# Altium PCB 8-8控制板.PcbDoc (part 2 of 5) (continued)
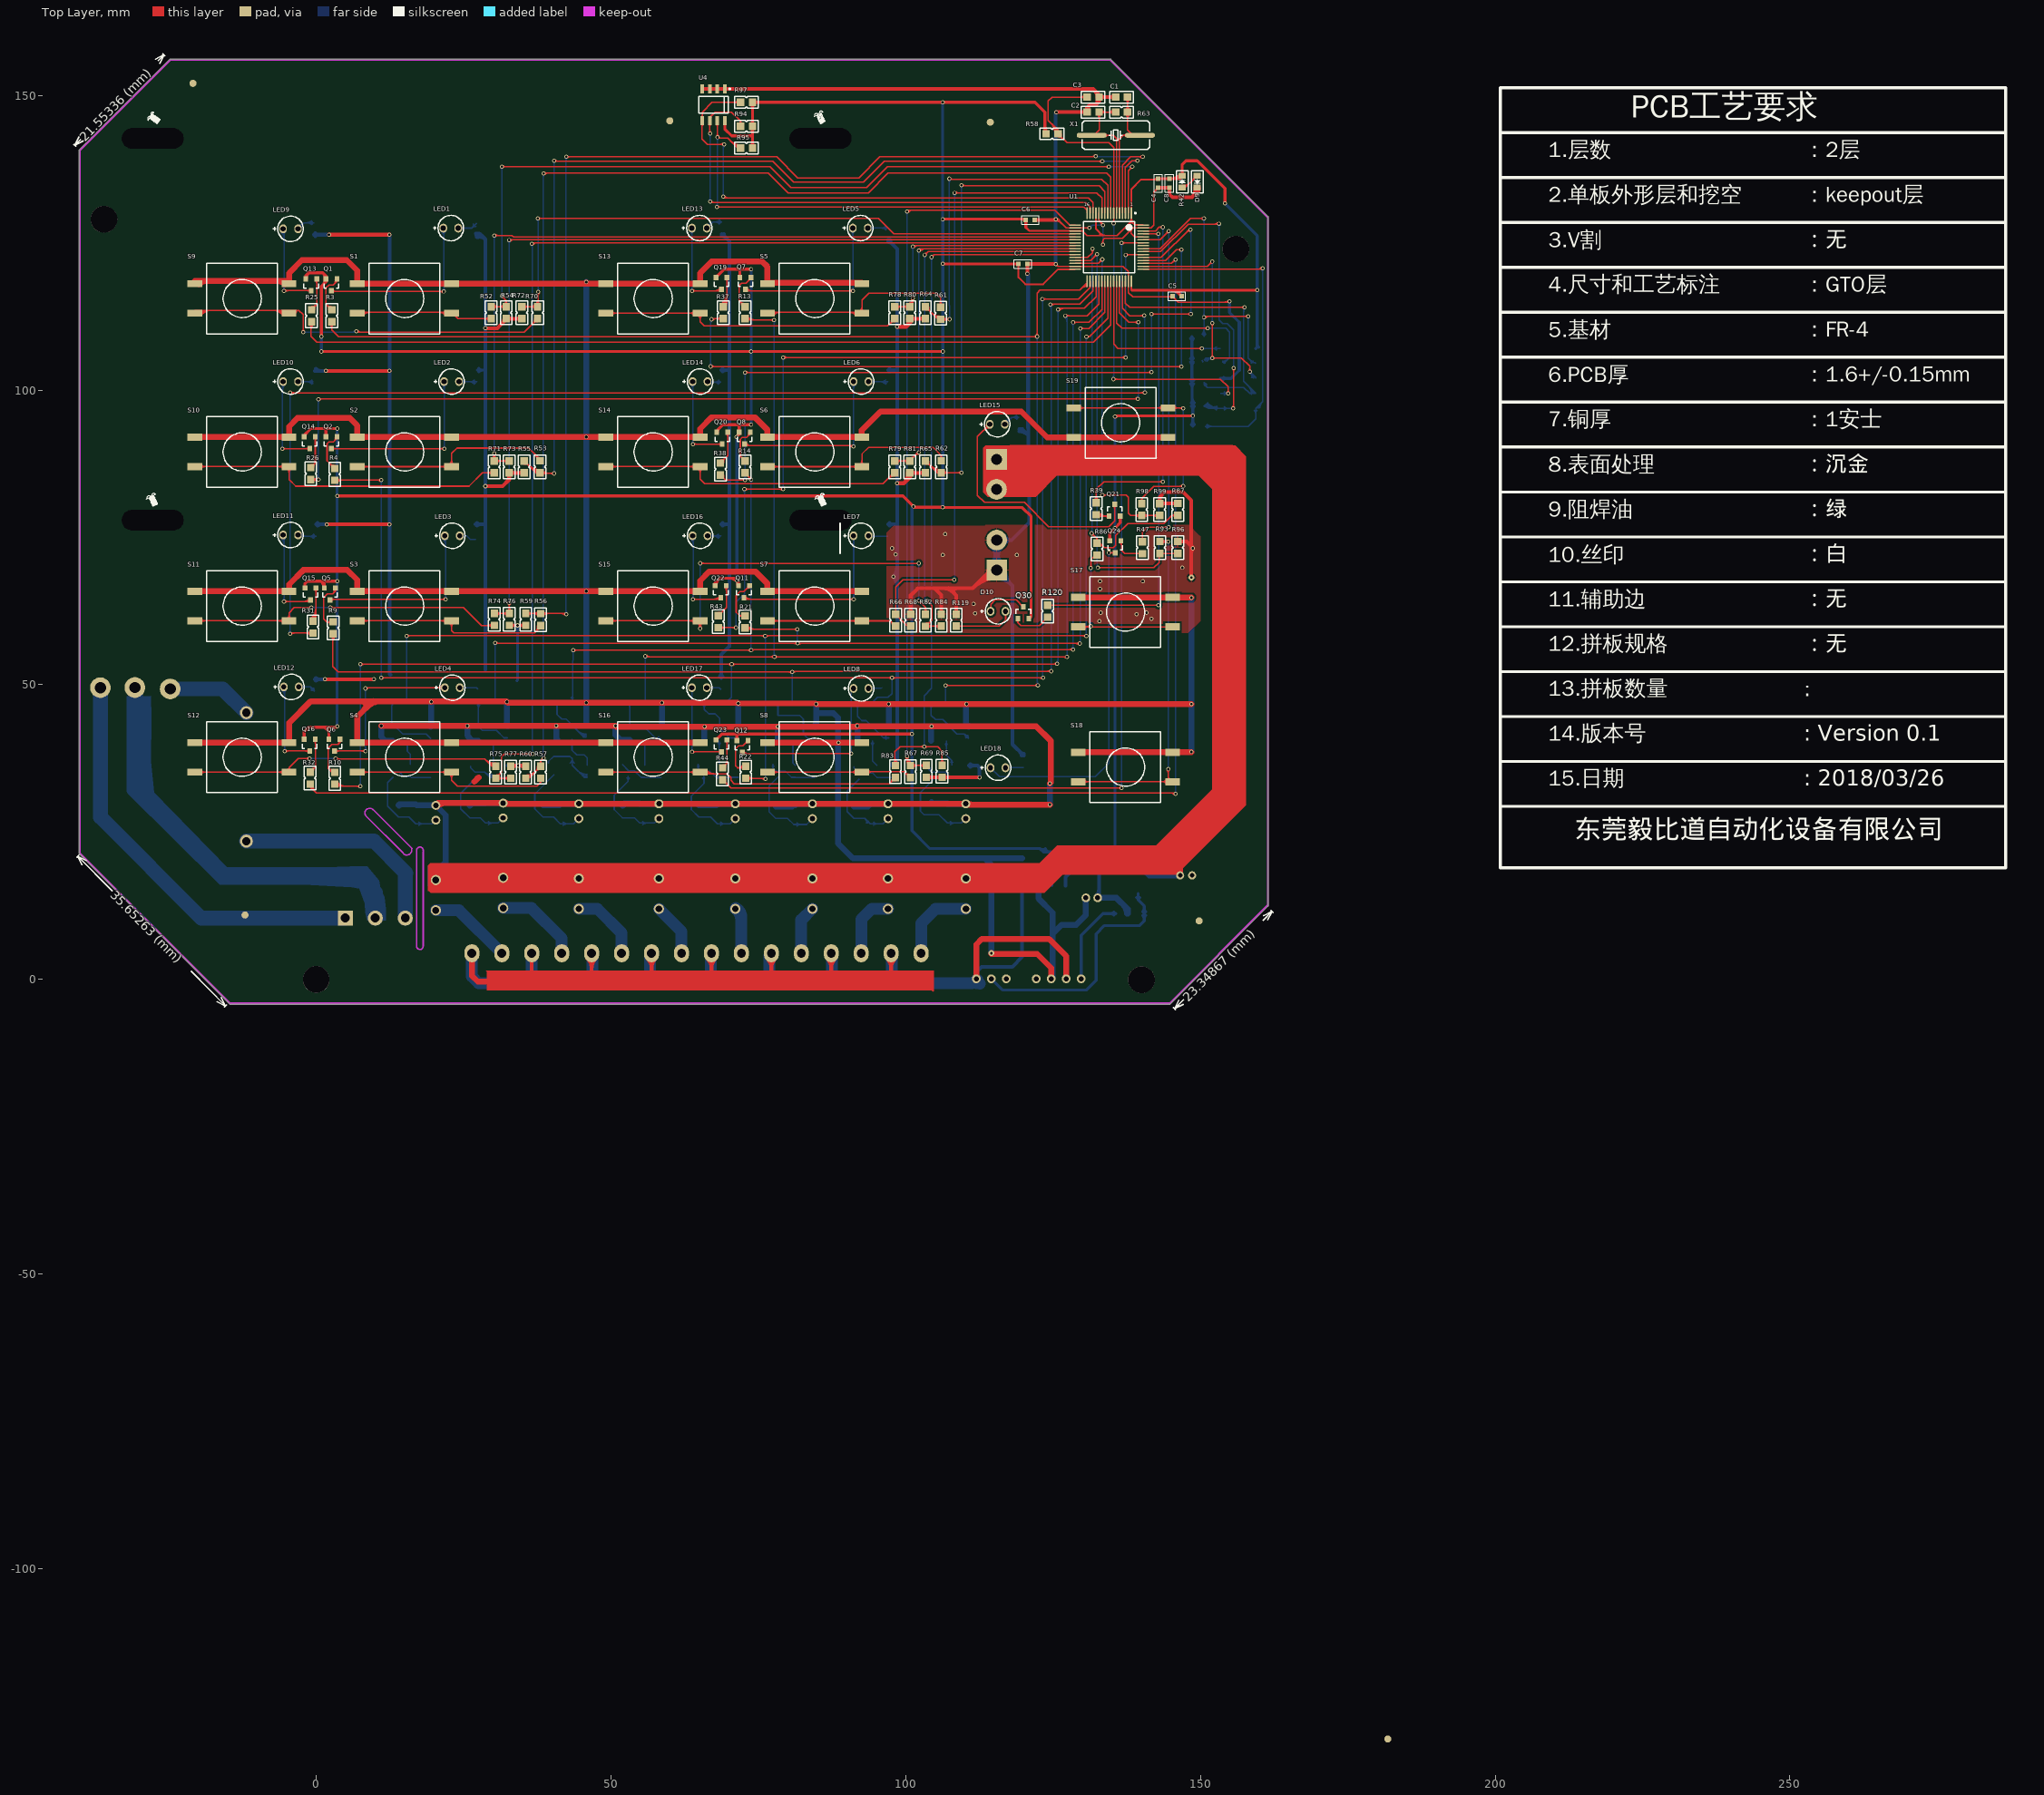
[diagram p0: Top Layer view]
## Nets (pads, with @x,y where several pads share a name; then routed paths per layer and width w, separated by ;. In a path a pad name is that pad's centre, name@x,y a point inside that pad or via, vN(x,y) a via of type N, cw(c..) or ccw(c..) an arc to the next point about the centre after c; other vN are vias at no path point) (continued)
  Bottom Layer w0.203: v1@135.079,102.03 ccw(c134.601,102.508) 135.278,102.508 ; v1@135.102,128.107 cw(c134.678,127.683) 135.278,127.683 cw(c135.877,127.683) v1@135.453,128.107 ; v1@135.278,101.854 v1(135.278,128.282) ; 135.278,102.399 ccw(c135.8,102.399) v1@135.431,102.03 ; P1.7@153.385,99.441 v1(154.686,99.441) ; P1.7@154.019,99.162 cw(c154.686,98.505) v1(154.686,99.441) ; P1.7@154.019,99.72 ccw(c154.686,100.377) v1(154.686,99.441) ; v1@154.454,99.353 ccw(c154.128,99.23) 154.218,99.566 ccw(c154.308,99.903) v1@154.529,99.633 ; v1@154.454,99.529 cw(c154.128,99.652) 154.218,99.316 cw(c154.308,98.979) v1@154.529,99.249 ; v1@154.51,99.265 ccw(c154.086,98.841) 154.086,99.441 ccw(c154.086,100.041) v1@154.51,99.617
NetC14_2: C14.2 L1.2 U3.2 | length 45.3
  Bottom Layer w0.5: U3.2@114.529,0.102 116.408,-1.778 130.683,-1.778
  Bottom Layer w0.508: 130.683,-1.778 132.3,-0.161 132.3,7.713 133.731,9.144 139.7,9.144 140.462,9.906 C14.2@140.462,11.176 140.462,12.446 139.446,13.462 ; L1.2@139.156,13.903 cw(c138.967,13.462) 139.446,13.462 ; L1.2@139.446,14.58 139.446,13.462 ; L1.2@139.736,13.903 ccw(c139.925,13.462) 139.446,13.462 ; C14.2@140.193,10.907 cw(c139.542,10.256) 140.462,10.256 cw(c141.382,10.256) C14.2@140.731,10.907 ; C14.2@140.193,11.445 ccw(c139.542,12.096) 140.462,12.096 ccw(c141.382,12.096) C14.2@140.731,11.445
NetC16_2: C16.2 U3.8 | length 16.2
  Bottom Layer w0.5: U3.8@129.769,0.102 129.769,7.468 133.477,11.176 C16.2@135.636,11.176 ; C16.2@135.364,10.904 ccw(c134.707,10.247) 134.707,11.176 ccw(c134.707,12.105) C16.2@135.364,11.448
NetD1_1: D1.1 K1.2 Q3.3 R1.1 | length 16.8
  Bottom Layer w0.254: Q3.3@104.851,34.061 102.489,31.699 102.489,28.575 103.124,27.94 R1.1@104.267,27.94 105.664,27.94 D1.1@107.061,26.543 109.474,26.543 K1.2@110.211,27.28 ; D1.1@107.584,26.274 cw(c108.235,25.623) 108.235,26.543 cw(c108.235,27.463) D1.1@107.584,26.812
NetD2_1: D2.1 K2.2 Q4.3 R2.1 | length 18
  Bottom Layer w0.203: Q4.3@92.151,34.061 90.043,31.953 90.043,28.448 R2.1@91.186,27.305 93.091,27.305 ; D2.1@93.329,26.501 ccw(c92.471,26.685) 93.091,27.305 ; 93.355,27.041 cw(c92.906,26.591) D2.1@93.527,26.459 ; 93.466,26.93 ccw(c93.726,27.19) D2.1@93.726,26.822 ; D2.1@94.521,26.129 cw(c95.215,25.435) 95.215,26.416 cw(c95.215,27.397) D2.1@94.521,26.703 ; K2.2@97.003,27.28 96.139,26.416 D2.1@93.98,26.416 93.091,27.305
NetD3_1: D3.1 K3.2 Q9.3 R15.1 | length 16.7
  Bottom Layer w0.254: Q9.3@78.435,34.442 76.835,32.842 76.835,28.448 R15.1@77.978,27.305 80.01,27.305 D3.1@81.026,26.289 83.185,26.289 K3.2@84.176,27.28 ; D3.1@81.549,26.02 cw(c82.2,25.369) 82.2,26.289 cw(c82.2,27.209) D3.1@81.549,26.558
NetD4_1: D4.1 K4.2 Q10.3 R16.1 | length 17.9
  Bottom Layer w0.254: Q10.3@65.538,34.194 cw(c64.938,33.594) 65.786,33.594 ; Q10.3@65.735,34.442 65.786,34.392 65.786,33.274 63.627,31.115 63.627,28.829 R16.1@64.897,27.559 66.929,27.559 D4.1@68.072,26.416 70.231,26.416 K4.2@71.095,27.28 ; 65.786,33.84 cw(c66.287,33.84) Q10.3@65.933,34.194 ; D4.1@68.595,26.147 cw(c69.246,25.496) 69.246,26.416 cw(c69.246,27.336) D4.1@68.595,26.685
NetD5_1: D5.1 K5.2 Q17.3 R27.1 | length 17.9
  Bottom Layer w0.254: Q17.3@52.711,34.194 cw(c52.234,33.717) 52.908,33.717 cw(c53.583,33.717) Q17.3@53.106,34.194 ; Q17.3@52.908,34.442 52.908,33.604 50.546,31.242 50.546,28.829 R27.1@51.943,27.432 53.975,27.432 D5.1@54.864,26.543 57.404,26.543 K5.2@58.141,27.28 ; D5.1@55.387,26.274 cw(c56.038,25.623) 56.038,26.543 cw(c56.038,27.463) D5.1@55.387,26.812
NetD6_1: D6.1 K6.2 Q18.3 R28.1 | length 17.4
  Bottom Layer w0.254: Q18.3@40.335,34.696 37.084,31.445 37.084,28.956 R28.1@38.481,27.559 40.259,27.559 D6.1@41.402,26.416 43.688,26.416 K6.2@44.552,27.28 ; D6.1@41.925,26.147 cw(c42.576,25.496) 42.576,26.416 cw(c42.576,27.336) D6.1@41.925,26.685
NetD7_1: D7.1 K7.2 Q25.3 R40.1 | length 16.3
  Bottom Layer w0.254: Q25.3@27.127,34.188 24.511,31.572 24.511,28.956 R40.1@26.035,27.432 27.813,27.432 D7.1@28.702,26.543 30.861,26.543 K7.2@31.725,27.407 ; D7.1@29.225,26.274 cw(c29.876,25.623) 29.876,26.543 cw(c29.876,27.463) D7.1@29.225,26.812
NetD8_1: D8.1 K8.2 Q26.3 R41.1 | length 16.4
  Bottom Layer w0.254: Q26.3@13.03,34.315 12.116,33.401 12.116,29.413 R41.1@13.97,27.559 15.748,27.559 D8.1@16.891,26.416 19.685,26.416 K8.2@20.295,27.026 ; D8.1@17.414,26.147 cw(c18.065,25.496) 18.065,26.416 cw(c18.065,27.336) D8.1@17.414,26.685
NetD9_1: D9.1 R42.1 | length 7.7
  Top Layer w0.254: R42.1@146.914,134.341 147.422,134.341 D9.1@149.454,136.373 ; R42.1@147.041,134.468 ccw(c147.041,135.694) 147.908,134.827 ; R42.1@147.041,134.722 ccw(c147.041,136.561) 148.341,135.26 ; 148.586,135.505 ccw(c147.719,136.373) D9.1@148.946,136.373 ; 148.893,135.812 cw(c149.327,135.378) D9.1@149.327,135.992 ; D9.1@149.02,135.939 ccw(c148.586,136.373) D9.1@149.2,136.373
NetD10_1: D10.1 Q30.3 | length 7.5
  Top Layer w0.203: D10.1@114.402,62.459 114.427,62.484 114.427,63.627 115.189,64.389 118.796,64.389 Q30.3@119.964,63.221
NetD10_2: D10.2 R119.1 | length 10.4
  Top Layer w0.254: R119.1@108.331,59.944 R119.1@108.458,60.071 ; R119.1@108.585,59.944 115.824,59.944 116.967,61.087 116.967,62.433 D10.2@116.942,62.459
NetF1_1: F1.1 P5.3 | length 37
  Bottom Layer w2.5: F1.1@-11.836,23.47 9.804,23.47 15.24,18.034 15.113,17.907 P5.3@15.113,10.414
NetF1_2: F1.2 L.1 | length 14.6
  Bottom Layer w2.5: L.1@-24.765,49.291 -15.865,49.291 F1.2@-11.836,45.263
NetFG_1: FG.1 P5.2 | length 69.3
  Bottom Layer w2.5: FG.1@-30.607,49.388 -30.607,32.385 -16.002,17.78 6.985,17.78 10.033,14.732 P5.2@10.033,10.414
NetJ5_1: J5.1 K1.4 | length 13.7
  Bottom Layer w2: J5.1@102.616,4.445 102.616,9.525 105.071,11.98 K1.4@110.211,11.98
NetJ5_3: J5.3 K2.4 | length 11
  Bottom Layer w2: J5.3@92.456,4.445 92.456,10.202 94.234,11.98 K2.4@97.003,11.98
NetJ5_5: J5.5 K3.4 | length 8.3
  Bottom Layer w2: J5.5@82.296,4.445 82.296,10.1 K3.4@84.176,11.98
NetJ5_7: J5.7 K4.4 | length 12.5
  Bottom Layer w2: K4.4@71.095,11.98 72.136,10.938 J5.7@72.136,4.445 ; K4.4@71.156,12.101 cw(c70.349,10.507) 72.136,10.507 ; K4.4@71.191,12.076 cw(c68.91,9.795) 72.136,9.795
NetJ5_9: J5.9 K5.4 | length 9.1
  Bottom Layer w2: K5.4@58.141,11.98 61.976,8.144 J5.9@61.976,4.445
NetJ5_11: J5.11 K6.4 | length 12.4
  Bottom Layer w2: K6.4@44.552,11.98 47.71,11.98 51.816,7.874 J5.11@51.816,4.445
NetJ5_13: J5.13 K7.4 | length 14.6
  Bottom Layer w2: K7.4@31.725,12.107 36.534,12.107 41.656,6.985 J5.13@41.656,4.445
NetJ5_15: J5.15 K8.4 | length 14.2
  Bottom Layer w2: K8.4@20.295,11.726 24.215,11.726 J5.15@31.496,4.445
NetLED1_1: LED1.1 Q1.3 | length 37.2
  Top Layer w0.203: Q1.3@2.591,116.865 2.743,116.713 v1(21.692,116.713) ; Q1.3@2.663,116.886 ccw(c3.081,117.305) 3.081,116.713 ccw(c3.081,116.324) Q1.3@2.806,116.599 ; Q1.3@2.806,117.03 ccw(c3.572,117.796) 3.572,116.713 ; v1@21.516,116.537 ccw(c21.092,116.113) 21.092,116.713 ccw(c21.092,117.313) v1@21.516,116.889
  Bottom Layer w0.203: LED1.1@21.178,126.995 cw(c19.94,125.756) 21.692,125.756 ; LED1.1@21.322,127.139 cw(c20.43,126.247) 21.692,126.247 ; LED1.1@21.466,127.282 cw(c20.921,126.737) 21.692,126.737 ; v1@21.516,116.889 ccw(c21.092,117.313) 21.692,117.313 ccw(c22.291,117.313) v1@21.867,116.889 ; LED1.1@21.565,127.483 21.692,127.356 v1(21.692,116.713) ; 21.692,126.369 cw(c22.576,126.369) LED1.1@21.951,126.995
NetLED1_2: LED1.2 R101.1 | length 7
  Bottom Layer w0.254: LED1.2@24.105,127.483 26.391,127.483 ; LED1.2@24.473,127.114 cw(c25.362,126.226) 25.362,127.483 cw(c25.362,128.74) LED1.2@24.473,127.851 ; R101.1@26.671,128.234 cw(c25.707,128.166) 26.391,127.483 ; R101.1@27.142,127.763 ccw(c27.074,126.799) 26.391,127.483 ; R101.1@27.178,128.27 26.391,127.483
NetLED2_1: LED2.1 Q2.3 | length 35.9
  Top Layer w0.254: Q2.3@2.591,90.068 21.692,90.068 v1(21.717,90.043) ; Q2.3@2.788,89.871 cw(c3.265,89.394) 3.265,90.068 cw(c3.265,90.743) Q2.3@2.788,90.266 ; 21.117,90.068 cw(c21.117,89.443) v1@21.559,89.885 ; 21.24,90.068 ccw(c21.24,90.52) v1@21.559,90.201
  Bottom Layer w0.254: LED2.1@21.323,100.978 cw(c20.373,100.028) 21.717,100.028 ; LED2.1@21.503,101.157 cw(c20.986,100.641) 21.717,100.641 ; v1@21.559,90.201 ccw(c21.179,90.581) 21.717,90.581 ccw(c22.255,90.581) v1@21.875,90.201 ; LED2.1@21.692,101.448 21.717,101.422 v1(21.717,90.043) ; 21.717,100.15 cw(c22.887,100.15) LED2.1@22.06,100.978
NetLED2_2: LED2.2 R109.1 | length 9.4
  Bottom Layer w0.203: LED2.2@24.232,101.448 27.203,101.448 R109.1@27.305,101.346 ; LED2.2@24.474,101.205 cw(c25.059,100.62) 25.059,101.448 cw(c25.059,102.275) LED2.2@24.474,101.69 ; LED2.2@24.618,101.061 cw(c25.55,100.129) 25.55,101.448 cw(c25.55,102.766) LED2.2@24.618,101.834 ; 25.772,101.448 cw(c25.772,99.813) R109.1@26.928,100.969 ; R109.1@26.928,101.723 cw(c26.263,102.388) 26.263,101.448 cw(c26.263,100.304) R109.1@27.072,101.113
NetLED3_1: LED3.1 Q5.3 | length 37.4
  Top Layer w0.203: Q5.3@2.337,64.414 2.438,64.516 v1(21.971,64.516) ; Q5.3@2.552,64.25 cw(c3.195,63.607) 3.195,64.516 ; Q5.3@2.552,64.681 ccw(c2.95,65.078) 2.95,64.516 ; v1@21.795,64.34 ccw(c21.371,63.916) 21.371,64.516 ccw(c21.371,65.116) v1@21.795,64.692
  Bottom Layer w0.203: LED3.1@21.432,74.798 cw(c20.132,73.498) 21.971,73.498 ; LED3.1@21.576,74.942 cw(c20.623,73.988) 21.971,73.988 ; LED3.1@21.72,75.085 cw(c21.113,74.479) 21.971,74.479 ; v1@21.795,64.692 ccw(c21.371,65.116) 21.971,65.116 ccw(c22.571,65.116) v1@22.147,64.692 ; LED3.1@21.819,75.286 21.971,75.133 v1(21.971,64.516) ; 21.971,74.234 cw(c22.769,74.234) LED3.1@22.205,74.798
NetLED3_2: LED3.2 R102.1 | length 4.8
  Bottom Layer w0.254: LED3.2@24.359,75.286 25.552,75.286 ; LED3.2@24.74,74.931 cw(c25.552,74.178) 25.552,75.286 ; LED3.2@24.74,75.64 ccw(c25.552,76.394) 25.552,75.286 ; R102.1@27.051,74.676 26.162,74.676 25.552,75.286
NetLED4_1: LED4.1 Q6.3 | length 38
  Top Layer w0.203: Q6.3@3.099,38.76 v1@8.357,38.76 ; Q6.3@3.314,38.545 cw(c3.835,38.025) 3.835,38.76 cw(c3.835,39.496) Q6.3@3.314,38.976 ; 7.721,38.76 cw(c7.721,38.074) v1@8.206,38.559 ; 7.844,38.76 ccw(c7.844,39.273) v1@8.206,38.911 ; v1(8.357,49.378) 8.484,49.505 LED4.1@21.819,49.505 ; v1@8.389,49.346 cw(c8.772,48.962) 8.772,49.505 ; v1@8.532,49.202 cw(c9.263,48.471) 9.263,49.505 ; LED4.1@21.432,49.118 ccw(c20.5,48.186) 20.5,49.505 ccw(c20.5,50.823) LED4.1@21.432,49.891 ; LED4.1@21.576,49.262 ccw(c20.991,48.677) 20.991,49.505 ccw(c20.991,50.332) LED4.1@21.576,49.747
  Bottom Layer w0.203: v1@8.181,49.202 cw(c7.757,48.778) 8.357,48.778 cw(c8.956,48.778) v1@8.532,49.202 ; v1@8.206,38.911 ccw(c7.844,39.273) 8.357,39.273 ; v1@8.357,38.76 v1(8.357,49.378) ; 8.357,39.396 ccw(c9.043,39.396) v1@8.558,38.911
  other v1: 8.382,38.735
NetLED4_2: LED4.2 R110.1 | length 3.2
  Bottom Layer w0.203: LED4.2@24.359,49.505 27.203,49.505 R110.1@27.432,49.276
NetLED5_1: LED5.1 Q7.3 | length 36.3
  Top Layer w0.203: Q7.3@72.822,117.119 73.101,116.84 v1(91.059,116.84) ; Q7.3@72.894,117.14 ccw(c73.619,117.866) 73.619,116.84 ; Q7.3@73.037,117.284 ccw(c74.11,118.356) 74.11,116.84 ; v1@90.883,116.664 ccw(c90.459,116.24) 90.459,116.84 ccw(c90.459,117.44) v1@90.883,117.016
  Bottom Layer w0.203: LED5.1@90.647,126.995 cw(c89.715,126.063) 91.034,126.063 cw(c92.352,126.063) LED5.1@91.42,126.995 ; LED5.1@90.791,127.139 cw(c90.206,126.553) 91.034,126.553 cw(c91.861,126.553) LED5.1@91.276,127.139 ; v1@90.883,117.016 ccw(c90.521,117.378) 91.034,117.378 ; 91.034,117.501 ccw(c91.72,117.501) v1@91.235,117.016 ; LED5.1@91.034,127.483 91.034,116.865 v1(91.059,116.84)
NetLED5_2: LED5.2 R103.1 | length 10.1
  Bottom Layer w0.203: LED5.2@93.574,127.483 97.003,127.483 R103.1@97.028,127.508 ; LED5.2@93.816,127.24 cw(c94.401,126.655) 94.401,127.483 cw(c94.401,128.31) LED5.2@93.816,127.725 ; LED5.2@93.96,127.096 cw(c94.892,126.164) 94.892,127.483 cw(c94.892,128.801) LED5.2@93.96,127.869 ; 95.679,127.483 ccw(c95.679,128.857) R103.1@96.651,127.885 ; 95.802,127.483 cw(c95.802,126.282) R103.1@96.651,127.131 ; 96.17,127.483 ccw(c96.17,128.366) R103.1@96.795,127.741 ; 96.292,127.483 cw(c96.292,126.772) R103.1@96.795,127.275
NetLED6_1: LED6.1 Q8.3 | length 37.2
  Top Layer w0.203: Q8.3@72.695,90.83 72.974,90.551 91.034,90.551 v1(91.161,90.424) ; Q8.3@72.767,90.851 ccw(c73.492,91.577) 73.492,90.551 ; Q8.3@72.91,90.995 ccw(c73.983,92.067) 73.983,90.551 ; 90.254,90.551 cw(c90.254,89.518) v1@90.985,90.248 ; 90.745,90.551 cw(c90.745,90.008) v1@91.129,90.392
  Bottom Layer w0.203: LED6.1@90.774,100.96 cw(c89.842,100.028) 91.161,100.028 cw(c92.479,100.028) LED6.1@91.547,100.96 ; LED6.1@90.918,101.104 cw(c90.333,100.518) 91.161,100.518 cw(c91.988,100.518) LED6.1@91.403,101.104 ; v1@90.985,90.6 ccw(c90.561,91.024) 91.161,91.024 ccw(c91.76,91.024) v1@91.336,90.6 ; v1(91.161,90.424) LED6.1@91.161,101.448
NetLED6_2: LED6.2 R111.1 | length 9.7
  Bottom Layer w0.203: LED6.2@93.701,101.448 96.926,101.448 R111.1@97.028,101.346 ; LED6.2@93.943,101.205 cw(c94.528,100.62) 94.528,101.448 cw(c94.528,102.275) LED6.2@93.943,101.69 ; LED6.2@94.087,101.061 cw(c95.019,100.129) 95.019,101.448 cw(c95.019,102.766) LED6.2@94.087,101.834 ; 95.495,101.448 cw(c95.495,99.813) R111.1@96.651,100.969 ; R111.1@96.651,101.723 cw(c95.986,102.388) 95.986,101.448 cw(c95.986,100.304) R111.1@96.795,101.113
NetLED7_1: LED7.1 Q11.3 | length 33
  Top Layer w0.254: Q11.3@72.568,64.795 72.847,64.516 v1(91.186,64.516) ; Q11.3@72.586,64.763 ccw(c73.181,65.358) 73.181,64.516 ; Q11.3@72.765,64.942 ccw(c73.794,65.971) 73.794,64.516 ; v1@91.028,64.358 ccw(c90.648,63.978) 90.648,64.516 ccw(c90.648,65.054) v1@91.028,64.674
  Bottom Layer w0.254: v1@91.028,64.674 ccw(c90.648,65.054) 91.186,65.054 ccw(c91.724,65.054) v1@91.344,64.674 ; LED7.1@91.161,75.286 91.186,75.26 v1(91.186,64.516)
NetLED7_2: LED7.2 R104.1 | length 3.4
  Bottom Layer w0.203: LED7.2@93.701,75.286 93.802,75.184 R104.1@97.028,75.184
NetLED8_1: LED8.1 Q12.3 | length 32.3
  Top Layer w0.254: Q12.3@72.314,38.506 72.492,38.329 v1(90.78,38.329) ; Q12.3@72.511,38.653 ccw(c73.295,39.437) 73.295,38.329 ; v1@90.622,38.171 ccw(c90.241,37.79) 90.241,38.329 ccw(c90.241,38.867) v1@90.622,38.486
  Bottom Layer w0.254: v1@90.622,38.486 ccw(c90.241,38.867) 90.78,38.867 ccw(c91.318,38.867) v1@90.937,38.486 ; v1(90.78,38.329) 90.78,48.997 LED8.1@91.161,49.378
NetLED8_2: LED8.2 R112.1 | length 2.4
  Bottom Layer w0.203: LED8.2@93.701,49.378 95.86,49.378 R112.1@96.012,49.53
NetLED9_1: LED9.1 Q13.3 | length 22.7
  Top Layer w0.203: LED9.1@-5.74,127.356 LED9.1@-5.359,126.975 ; v1(-5.461,116.84) -5.436,116.865 Q13.3@-0.838,116.865 ; v1@-5.285,116.664 cw(c-4.8,116.179) -4.8,116.865 ; v1@-5.285,117.016 ccw(c-4.923,117.378) -4.923,116.865 ; Q13.3@-1.054,116.65 ccw(c-1.574,116.13) -1.574,116.865 ccw(c-1.574,117.601) Q13.3@-1.054,117.081
  Bottom Layer w0.203: LED9.1@-6,126.868 cw(c-7.3,125.568) -5.461,125.568 ; LED9.1@-5.856,127.012 cw(c-6.809,126.058) -5.461,126.058 ; LED9.1@-5.74,127.356 LED9.1@-5.613,127.356 -5.461,127.203 v1(-5.461,116.84) ; LED9.1@-5.712,127.155 cw(c-6.319,126.549) -5.461,126.549 ; v1@-5.637,117.016 ccw(c-6.061,117.44) -5.461,117.44 ccw(c-4.861,117.44) v1@-5.285,117.016 ; -5.461,126.304 cw(c-4.663,126.304) LED9.1@-5.227,126.868
NetLED9_2: LED9.2 R105.1 | length 9.6
  Bottom Layer w0.203: LED9.2@-3.073,127.356 -2.032,128.397 ; LED9.2@-3.058,127.8 ccw(c-3.016,128.729) -2.358,128.071 ; LED9.2@-3.049,128.003 ccw(c-2.987,129.352) -2.032,128.397 ; LED9.2@-2.73,127.457 cw(c-2.148,127.457) -2.56,127.869 ; LED9.2@-2.527,127.457 cw(c-1.454,127.457) -2.213,128.216 ; R105.1@-0.758,128.02 ccw(c-1.669,127.109) -1.669,128.397 ccw(c-1.669,129.685) R105.1@-0.758,128.774 ; R105.1@-0.614,128.164 ccw(c-1.178,127.6) -1.178,128.397 ccw(c-1.178,129.194) R105.1@-0.614,128.63 ; R105.1@-0.381,128.397 -2.032,128.397
NetLED10_1: LED10.1 Q14.3 | length 21.6
  Top Layer w0.254: v1@-5.715,90.056 v1(-5.715,90.043) -5.69,90.068 Q14.3@-1.092,90.068 ; v1@-5.557,89.885 cw(c-5.115,89.443) -5.115,90.068 ; v1@-5.557,90.201 ccw(c-5.238,90.52) -5.238,90.068 ; Q14.3@-1.29,89.871 ccw(c-1.767,89.394) -1.767,90.068 ccw(c-1.767,90.743) Q14.3@-1.29,90.266
  Bottom Layer w0.254: LED10.1@-5.982,100.978 cw(c-6.625,100.334) -5.715,100.334 ; v1@-5.873,90.201 ccw(c-6.253,90.581) -5.715,90.581 ccw(c-5.177,90.581) v1@-5.557,90.201 ; v1(-5.715,90.043) -5.715,101.346 LED10.1@-5.613,101.448 ; -5.715,99.844 cw(c-4.111,99.844) LED10.1@-5.245,100.978 ; -5.715,100.457 cw(c-4.724,100.457) LED10.1@-5.425,101.157
NetLED10_2: LED10.2 R113.1 | length 8.9
  Bottom Layer w0.203: LED10.2@-3.073,101.448 R113.1@-0.483,101.448 ; LED10.2@-2.831,101.205 cw(c-2.246,100.62) -2.246,101.448 cw(c-2.246,102.275) LED10.2@-2.831,101.69 ; LED10.2@-2.687,101.061 cw(c-1.755,100.129) -1.755,101.448 cw(c-1.755,102.766) LED10.2@-2.687,101.834 ; -1.787,101.448 cw(c-1.787,99.813) R113.1@-0.631,100.969 ; R113.1@-0.631,101.723 cw(c-1.296,102.388) -1.296,101.448 cw(c-1.296,100.304) R113.1@-0.487,101.113
NetLED11_1: LED11.1 Q15.3 | length 23.6
  Top Layer w0.203: v1(-5.461,64.135) -1.245,64.135 Q15.3@-0.965,64.414 ; v1@-5.285,63.959 cw(c-4.861,63.535) -4.861,64.135 cw(c-4.861,64.735) v1@-5.285,64.311 ; -2.253,64.135 ccw(c-2.253,65.651) Q15.3@-1.181,64.579 ; -1.762,64.135 ccw(c-1.762,65.161) Q15.3@-1.037,64.435
  Bottom Layer w0.203: LED11.1@-6,74.925 cw(c-7.3,73.625) -5.461,73.625 ; LED11.1@-5.856,75.069 cw(c-6.809,74.115) -5.461,74.115 ; LED11.1@-5.712,75.212 cw(c-6.319,74.606) -5.461,74.606 ; v1@-5.637,64.311 ccw(c-6.061,64.735) -5.461,64.735 ccw(c-4.861,64.735) v1@-5.285,64.311 ; LED11.1@-5.613,75.413 -5.461,75.26 v1(-5.461,64.135) ; -5.461,74.361 cw(c-4.663,74.361) LED11.1@-5.227,74.925
NetLED11_2: LED11.2 R106.1 | length 10.1
  Bottom Layer w0.203: LED11.2@-3.073,75.413 -2.845,75.184 R106.1@0,75.184 ; LED11.2@-2.975,75.41 ccw(c-2.43,75.955) -2.43,75.184 ; LED11.2@-2.831,75.553 ccw(c-1.939,76.445) -1.939,75.184 ; LED11.2@-2.687,74.925 cw(c-2.062,74.299) -2.062,75.184 ; LED11.2@-2.687,75.697 ccw(c-1.448,76.936) -1.448,75.184 ; R106.1@-0.377,74.807 ccw(c-1.288,73.896) -1.288,75.184 ccw(c-1.288,76.472) R106.1@-0.377,75.561 ; R106.1@-0.233,74.951 ccw(c-0.797,74.387) -0.797,75.184 ccw(c-0.797,75.981) R106.1@-0.233,75.417
NetLED12_1: LED12.1 Q16.3 | length 22.1
  Top Layer w0.203: v1(-5.334,38.735) -5.309,38.76 Q16.3@-1.092,38.76 ; v1@-5.158,38.559 cw(c-4.673,38.074) -4.673,38.76 ; v1@-5.158,38.911 ccw(c-4.796,39.273) -4.796,38.76 ; Q16.3@-1.308,38.545 ccw(c-1.828,38.025) -1.828,38.76 ccw(c-1.828,39.496) Q16.3@-1.308,38.976
  Bottom Layer w0.203: LED12.1@-5.873,49.144 cw(c-7.173,47.844) -5.334,47.844 ; LED12.1@-5.729,49.288 cw(c-6.682,48.334) -5.334,48.334 ; LED12.1@-5.585,49.431 cw(c-6.192,48.825) -5.334,48.825 ; v1@-5.51,38.911 ccw(c-5.934,39.335) -5.334,39.335 ccw(c-4.734,39.335) v1@-5.158,38.911 ; LED12.1@-5.486,49.632 -5.334,49.479 v1(-5.334,38.735) ; -5.334,48.58 cw(c-4.536,48.58) LED12.1@-5.1,49.144
NetLED12_2: LED12.2 R114.1 | length 8.7
  Bottom Layer w0.203: LED12.2@-2.946,49.632 -0.991,49.632 ; LED12.2@-2.704,49.389 cw(c-2.119,48.804) -2.119,49.632 cw(c-2.119,50.459) LED12.2@-2.704,49.874 ; LED12.2@-2.56,49.245 cw(c-1.628,48.313) -1.628,49.632 cw(c-1.628,50.95) LED12.2@-2.56,50.018 ; R114.1@-0.78,48.981 ccw(c-1.521,49.101) -0.991,49.632 ; R114.1@-0.58,48.948 ccw(c-1.038,49.022) -0.71,49.351 ccw(c-0.381,49.679) R114.1@-0.307,49.221 ; R114.1@-0.34,49.421 cw(c-0.46,50.162) -0.991,49.632 ; R114.1@-0.254,48.895 -0.991,49.632
NetLED13_1: LED13.1 Q19.3 | length 23
  Top Layer w0.203: v1(63.729,116.84) 68.478,116.84 Q19.3@68.758,117.119 ; v1@63.904,116.664 cw(c64.328,116.24) 64.328,116.84 cw(c64.328,117.44) v1@63.904,117.016 ; 67.47,116.84 ccw(c67.47,118.356) Q19.3@68.542,117.284 ; 67.961,116.84 ccw(c67.961,117.866) Q19.3@68.686,117.14
  Bottom Layer w0.203: LED13.1@63.342,126.995 cw(c62.41,126.063) 63.729,126.063 cw(c65.047,126.063) LED13.1@64.115,126.995 ; LED13.1@63.486,127.139 cw(c62.901,126.553) 63.729,126.553 cw(c64.556,126.553) LED13.1@63.971,127.139 ; v1@63.553,117.016 ccw(c63.129,117.44) 63.729,117.44 ccw(c64.328,117.44) v1@63.904,117.016 ; v1(63.729,116.84) LED13.1@63.729,127.483
NetLED13_2: LED13.2 R107.1 | length 9.5
  Bottom Layer w0.203: LED13.2@66.269,127.483 67.31,128.524 ; LED13.2@66.284,127.927 ccw(c66.326,128.856) 66.984,128.198 ; LED13.2@66.293,128.13 ccw(c66.355,129.479) 67.31,128.524 ; LED13.2@66.611,127.584 cw(c67.194,127.584) 66.782,127.996 ; LED13.2@66.815,127.584 cw(c67.888,127.584) 67.129,128.343 ; R107.1@68.457,128.147 ccw(c67.546,127.236) 67.546,128.524 ccw(c67.546,129.812) R107.1@68.457,128.901 ; R107.1@68.601,128.291 ccw(c68.037,127.727) 68.037,128.524 ccw(c68.037,129.321) R107.1@68.601,128.757 ; R107.1@68.834,128.524 67.31,128.524
NetLED14_1: LED14.1 Q20.3 | length 22.4
  Top Layer w0.203: v1@64.008,90.678 v1(63.881,90.805) 63.906,90.83 Q20.3@68.885,90.83 ; v1@64.057,90.629 cw(c64.542,90.144) 64.542,90.83 ; v1@64.057,90.981 ccw(c64.419,91.343) 64.419,90.83 ; Q20.3@68.669,90.615 ccw(c68.149,90.095) 68.149,90.83 ccw(c68.149,91.566) Q20.3@68.669,91.046
  Bottom Layer w0.203: LED14.1@63.469,100.96 cw(c62.476,99.966) 63.881,99.966 ; LED14.1@63.613,101.104 cw(c62.966,100.457) 63.881,100.457 ; v1@63.705,90.981 ccw(c63.281,91.405) 63.881,91.405 ccw(c64.481,91.405) v1@64.057,90.981 ; LED14.1@63.856,101.448 63.881,101.422 v1(63.881,90.805) v1@64.008,90.678 ; 63.881,100.089 cw(c65.113,100.089) LED14.1@64.242,100.96 ; 63.881,100.579 cw(c64.622,100.579) LED14.1@64.098,101.104
NetLED14_2: LED14.2 R115.1 | length 9
  Bottom Layer w0.203: LED14.2@66.396,101.448 66.497,101.346 R115.1@68.707,101.346 ; LED14.2@66.638,101.104 cw(c67.223,100.518) 67.223,101.346 cw(c67.223,102.174) LED14.2@66.638,101.588 ; LED14.2@66.782,100.96 cw(c67.714,100.028) 67.714,101.346 cw(c67.714,102.664) LED14.2@66.782,101.732 ; R115.1@68.33,100.969 ccw(c67.419,100.058) 67.419,101.346 ccw(c67.419,102.634) R115.1@68.33,101.723 ; R115.1@68.474,101.113 ccw(c67.91,100.549) 67.91,101.346 ccw(c67.91,102.143) R115.1@68.474,101.579
NetLED15_1: LED15.1 Q21.3 | length 46.2
  Top Layer w0.203: 113.169,93.103 cw(c114.275,91.997) LED15.1@114.275,93.561 ; 113.414,93.348 ccw(c112.655,94.107) LED15.1@113.728,94.107 ; 113.516,93.45 cw(c114.275,92.691) LED15.1@114.275,93.764 ; 113.761,93.695 ccw(c113.349,94.107) LED15.1@113.932,94.107 ; LED15.1@114.275,94.209 112.164,92.098 112.164,82.144 113.355,80.953 120.142,80.953 124.26,76.835 134.493,76.835 135.458,77.8 Q21.3@135.458,80.62 ; Q21.3@135.243,80.353 cw(c134.722,79.833) 135.458,79.833 cw(c136.194,79.833) Q21.3@135.674,80.353
NetLED15_2: LED15.2 R117.1 | length 9.5
  Bottom Layer w0.203: LED15.2@116.815,94.209 117.983,95.377 ; LED15.2@116.815,94.653 ccw(c116.815,95.726) 117.573,94.967 ; LED15.2@116.815,94.856 ccw(c116.815,96.42) 117.92,95.314 ; LED15.2@117.157,94.31 cw(c117.74,94.31) 117.328,94.722 ; LED15.2@117.361,94.31 cw(c118.434,94.31) 117.675,95.069 ; R117.1@118.872,95.004 ccw(c117.983,94.132) 117.983,95.377 ; R117.1@118.872,95.75 cw(c117.983,96.622) 117.983,95.377 ; R117.1@119.017,95.146 ccw(c118.467,94.606) 118.467,95.377 ccw(c118.467,96.148) R117.1@119.017,95.608 ; R117.1@119.253,95.377 117.983,95.377
NetLED16_1: LED16.1 Q22.3 | length 21.9
  Top Layer w0.254: v1(63.881,64.516) 68.351,64.516 Q22.3@68.631,64.795 ; v1@64.039,64.358 cw(c64.419,63.978) 64.419,64.516 cw(c64.419,65.054) v1@64.039,64.674 ; 67.404,64.516 ccw(c67.404,65.971) Q22.3@68.433,64.942 ; 68.018,64.516 ccw(c68.018,65.358) Q22.3@68.613,64.763
  Bottom Layer w0.254: LED16.1@63.487,74.816 cw(c62.292,73.62) 63.983,73.62 ; LED16.1@63.667,74.995 cw(c62.905,74.234) 63.983,74.234 cw(c64.806,74.234) LED16.1@64.224,74.816 ; v1@63.723,64.674 ccw(c63.097,65.3) 63.983,65.3 ; LED16.1@63.856,75.286 63.983,75.159 63.983,64.618 v1(63.881,64.516)
NetLED16_2: LED16.2 R108.1 | length 8.6
  Bottom Layer w0.203: LED16.2@66.396,75.286 68.605,75.286 R108.1@68.707,75.184 ; LED16.2@66.638,75.043 cw(c67.223,74.458) 67.223,75.286 cw(c67.223,76.113) LED16.2@66.638,75.528 ; LED16.2@66.782,74.899 cw(c67.714,73.967) 67.714,75.286 cw(c67.714,76.604) LED16.2@66.782,75.672 ; 67.174,75.286 cw(c67.174,73.651) R108.1@68.33,74.807 ; R108.1@68.33,75.561 cw(c67.665,76.226) 67.665,75.286 cw(c67.665,74.142) R108.1@68.474,74.951
NetLED17_1: LED17.1 Q23.3 | length 18.7
  Top Layer w0.254: v1(63.754,38.608) 63.779,38.633 Q23.3@68.758,38.633 ; v1@63.912,38.45 cw(c64.354,38.008) 64.354,38.633 ; v1@63.912,38.766 ccw(c64.231,39.085) 64.231,38.633 ; Q23.3@68.56,38.436 ccw(c68.083,37.959) 68.083,38.633 ccw(c68.083,39.308) Q23.3@68.56,38.831
  Bottom Layer w0.254: v1@63.596,38.766 ccw(c63.216,39.146) 63.754,39.146 ccw(c64.292,39.146) v1@63.912,38.766 ; LED17.1@63.729,49.505 63.754,49.479 v1(63.754,38.608)
NetLED17_2: LED17.2 R116.1 | length 2.6
  Bottom Layer w0.203: LED17.2@66.269,49.505 68.351,49.505 R116.1@68.707,49.149
NetLED18_1: LED18.1 Q24.3 | length 61.2
  Top Layer w0.254: v1(134.493,72.39) 134.518,72.415 Q24.3@135.56,72.415 ; v1@134.651,72.232 cw(c135.093,71.79) 135.093,72.415 ; v1@134.651,72.548 ccw(c134.97,72.867) 134.97,72.415 ; Q24.3@135.362,72.218 ccw(c134.885,71.741) 134.885,72.415 ccw(c134.885,73.09) Q24.3@135.362,72.613
  Bottom Layer w0.254: LED18.1@114.402,35.916 115.926,34.392 132.182,34.392 134.468,36.678 v1@134.468,72.39 ; v1@134.335,72.232 cw(c134.016,71.913) 134.468,71.913 ; 134.468,71.79 cw(c135.093,71.79) v1@134.651,72.232 ; v1@134.468,72.365 v1(134.493,72.39)
NetLED18_2: LED18.2 R118.1 | length 3.1
  Bottom Layer w0.203: LED18.2@116.942,35.916 119.99,35.916 R118.1@120.015,35.941
NetN_1: N.1 P5.1 | length 70.6
  Bottom Layer w2.5: N.1@-36.601,49.505 -36.601,27.534 -19.482,10.414 P5.1@4.953,10.414
NetOC1_1: OC1.1 R5.2 | length 13.8
  Bottom Layer w0.203: OC1.1@104.128,46.561 cw(c103.607,46.041) 104.343,46.041 cw(c105.079,46.041) OC1.1@104.559,46.561 ; OC1.1@104.343,47.005 104.343,44.831 105.105,44.069 106.274,44.069 108.712,41.631 109.957,41.631 ; R5.2@110.19,40.94 ccw(c109.376,41.049) 109.957,41.631 ; R5.2@110.391,40.913 ccw(c109.887,40.981) 110.247,41.34 ccw(c110.607,41.7) R5.2@110.675,41.196 ; R5.2@110.647,41.397 cw(c110.538,42.212) 109.957,41.631 ; R5.2@110.719,40.869 109.957,41.631
NetOC1_2: OC1.2 R3.1 U1.33 | length 228
  Top Layer w0.203: R3.1@2.264,111.23 cw(c1.354,110.32) 2.642,110.32 cw(c3.929,110.32) R3.1@3.019,111.23 ; R3.1@2.408,111.374 cw(c1.844,110.81) 2.642,110.81 cw(c3.439,110.81) R3.1@2.875,111.374 ; R3.1@2.642,111.608 2.642,110.211 3.838,109.015 122.223,109.015 v1(122.301,109.093) 122.301,116.459 122.784,116.942 129.508,116.942 130.778,118.212 U1.33@130.778,118.473 ; v1(106.782,49.886) 122.403,49.886 v1(122.428,49.911) ; v1@106.957,49.71 cw(c107.381,49.286) 107.381,49.886 cw(c107.381,50.485) v1@106.957,50.061 ; 121.512,109.015 ccw(c121.512,109.882) 122.125,109.269 ccw(c121.701,109.693) 122.301,109.693 ccw(c122.901,109.693) v1@122.477,109.269 ; 121.767,49.886 ccw(c121.767,50.572) v1@122.252,50.087 ; 121.89,49.886 cw(c121.89,49.373) v1@122.252,49.735 ; 121.891,109.015 cw(c121.891,108.683) v1@122.125,108.917 ; 129.689,117.124 cw(c130.778,116.035) U1.33@130.778,117.574 ; 130.036,117.47 cw(c130.778,116.729) U1.33@130.778,117.777 ; 130.383,117.817 cw(c130.778,117.423) U1.33@130.778,117.981 ; U1.33@130.73,118.164 cw(c130.778,118.117) U1.33@130.778,118.184
  Bottom Layer w0.203: v1(106.782,49.886) 106.782,47.107 OC1.2@106.883,47.005 ; v1@122.125,108.917 cw(c121.701,108.493) 122.301,108.493 cw(c122.901,108.493) v1@122.477,108.917 ; 122.301,50.327 ccw(c122.844,50.327) v1@122.46,49.943 ; 122.301,50.817 ccw(c123.334,50.817) v1@122.604,50.087 ; v1(122.301,109.093) 122.301,50.038 v1(122.428,49.911)
NetOC1_3: OC1.3 R7.1 | length 6.5
  Bottom Layer w0.203: OC1.3@106.668,40.061 cw(c106.147,39.541) 106.883,39.541 cw(c107.619,39.541) OC1.3@107.099,40.061 ; OC1.3@106.883,40.505 106.883,38.049 107.823,37.109 ; R7.1@107.625,36.817 ccw(c107.509,37.109) 107.823,37.109 ; R7.1@107.823,36.322 107.823,37.109 ; R7.1@108.021,36.817 cw(c108.137,37.109) 107.823,37.109